# KiCad board main-board-rev1.kicad_pcb (continued)
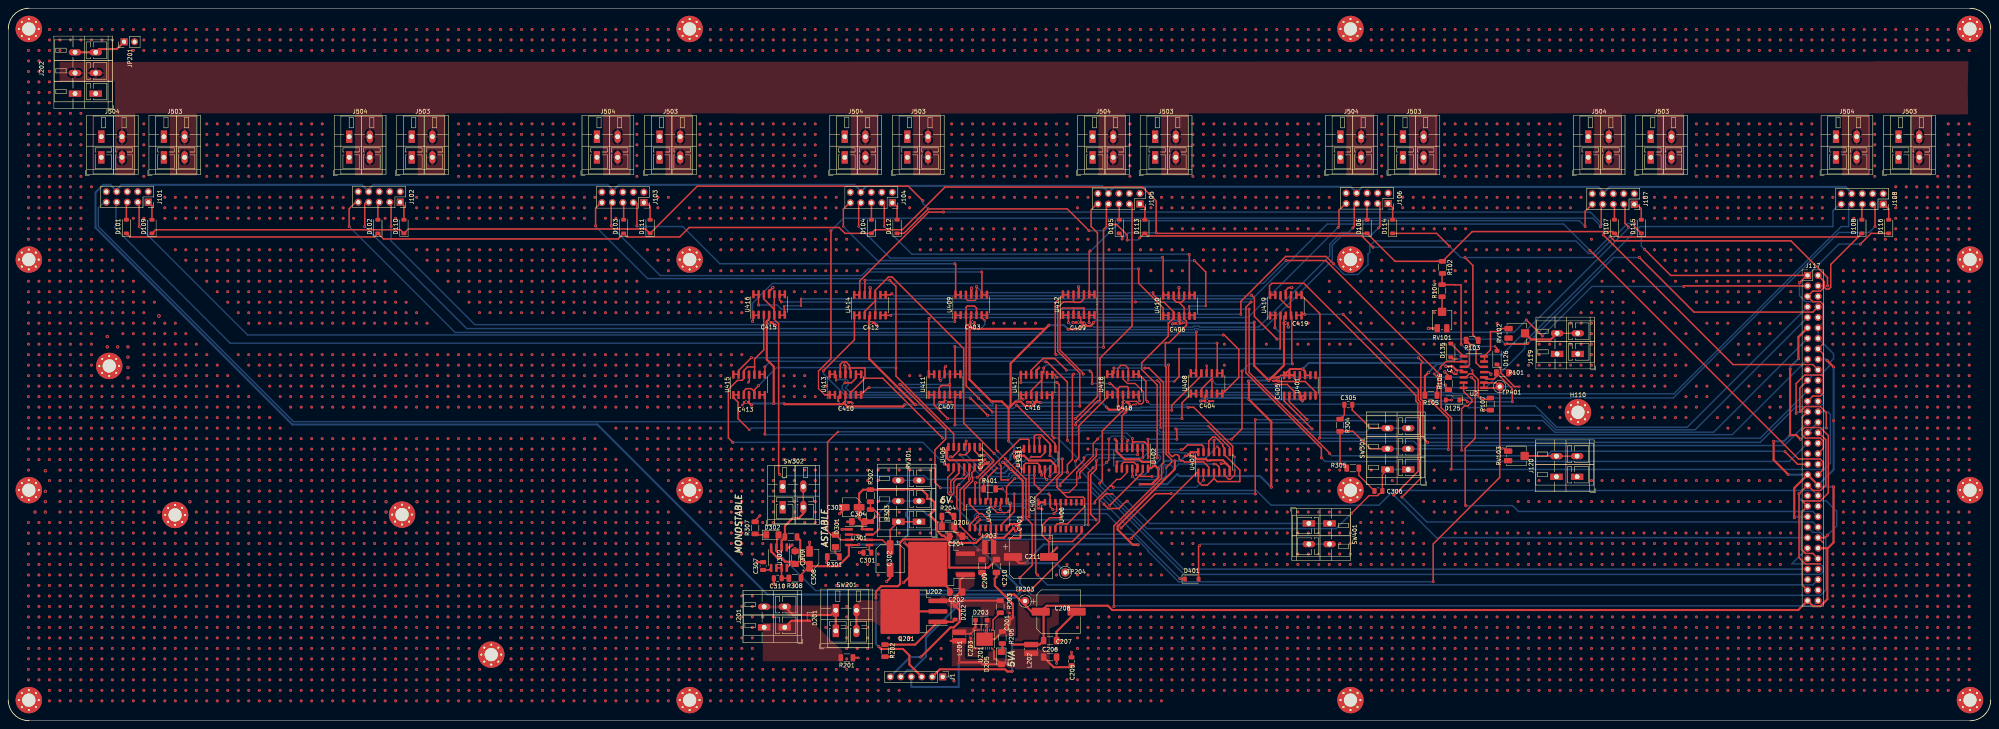
[diagram p0: board, top side]
## Routing (per net, layer and track width the routed paths; a pad name or vN(x,y) marks a point on that pad's centre or on a via; arc(x,y) is an arc through that point) (continued)
  Bottom w0.349: v4(226.19,68.49) v4(249.69,68.49)
CHAN_8: length 166.3
  Top w0.349: 209.96,101.65 209.92,101.65 207.42,99.15 207.42,98.18 ; 209.96,101.65 209.96,98.18 209.96,99.15 ; 209.96,101.65 209.96,103.13 ; v4(238.72,64.69) 231.32,72.09 231.32,90.11 214.01,107.43 213.12,107.43 209.9,104.21 U414.10 ; v3(242.02,58.35) 242.02,58.33 240.38,58.33 240.38,61.71 v3(239.99,62.11) ; v4(249.59,56.16) 248.44,57.31 v4(248.44,59.43) 248.42,59.45 248.42,60.93 ; v4(270.94,53.15) 270.69,53.15 268.91,51.38 266.37,51.38 v4(265.27,52.48)
  Bottom w0.349: v4(249.59,56.16) 249.89,55.86 261.89,55.86 v4(265.27,52.48) ; v4(238.72,64.69) 239.99,63.43 v3(239.99,62.11) ; v3(242.02,58.35) 242.31,58.35 243.02,59.06 243.02,59.33 243.12,59.43 v4(248.44,59.43) ; SW401.1 276.33,47.77 v4(270.94,53.15)
CHAN_9: length 98.7
  Top w0.349: 207.42,103.13 207.42,106.63 v4(207.44,106.65) ; 228.9,66.38 228.9,69.48 214.94,83.44 v4(214.94,85.4) 214.94,105.15 v4(213.44,106.65) ; v4(181.69,81.15) 180.71,80.17 180.71,78.93 180.71,79.63 179.94,80.4 178.67,80.4 178.17,79.9 178.17,78.93
  Bottom w0.349: v4(181.69,81.15) 186.04,85.51 214.84,85.51 v4(214.94,85.4) ; v4(213.44,106.65) v4(207.44,106.65)
CHAN_10: length 93.9
  Top w0.349: 180.71,82.9 180.71,85.65 ; 227.63,61.43 226.9,62.15 v4(226.69,62.15) ; v4(175.44,67.4) 174.35,68.49 174.35,80.22 176.54,82.41 177.67,82.41 178.17,82.9 178.17,84.85 178.97,85.65 180.71,85.65 ; 180.71,85.65 180.71,87.58 182.92,89.79 182.92,98.18
  Bottom w0.349: v4(226.69,62.15) 221.44,67.4 v4(175.44,67.4)
CHAN_11: length 98.2
  Top w0.3: v4(186.76,59.65) 186.53,59.89
  Top w0.349: 185.46,103.13 185.46,98.18 ; 182.92,103.13 182.92,102.15 185.46,99.61 185.46,98.18 ; 185.46,98.18 185.46,97.19 186.53,96.12 186.53,59.89 ; v4(231.44,59.65) 231.44,61.43
  Bottom w0.349: v4(231.44,59.65) 231.44,59.49 230.38,58.43 222.68,58.43 221.75,59.36 188.54,59.36 187.8,58.62 v4(186.76,59.65)
CHAN_12: length 76.2
  Top w0.349: v4(250.69,85.4) 250.69,84.36 250.21,83.88 250.21,82.65 ; 247.67,78.93 247.67,79.9 250.21,82.44 250.21,82.65 ; 250.21,82.65 250.21,78.93 ; v4(280.94,86.15) 280.94,64.78 281.74,63.98 281.99,63.98 282.44,64.43 283.08,64.43 283.54,63.98 283.54,63.33 283.94,62.93 284.48,62.93 284.75,62.65 289.42,62.65 290.67,61.4 290.67,60.43
  Bottom w0.349: v4(250.69,85.4) 251.44,86.15 v4(280.94,86.15)
CHAN_13: length 81.6
  Top w0.3: v3(296.94,60.65) 296.94,59.47 295.95,58.48 295.45,58.48 294.48,59.45 294.48,60.43
  Top w0.349: v4(268.69,76.15) 268.69,78.91 268.67,78.93 ; v4(285.69,75.88) 287.03,75.88 296.47,66.44 296.47,64.34 v3(296.94,63.87) ; 271.21,78.93 271.21,80.63 270.94,80.9 269.19,80.9 268.67,80.38 268.67,78.93 ; v4(256.19,84.9) 253.41,87.68 250.49,87.68 247.67,84.85 247.67,83.88 ; v4(261.94,84.65) 262.44,84.15 v4(262.44,81.65) ; 268.67,78.93 268.67,79.9 266.92,81.65 v4(266.69,81.65)
  Bottom w0.3: v3(296.94,60.65) v3(296.94,63.87) 296.52,64.29
  Bottom w0.349: v4(261.94,84.65) 261.69,84.9 v4(256.19,84.9) ; v4(266.69,81.65) v4(262.44,81.65) ; v4(268.69,76.15) 269.09,75.75 274.18,75.75 274.36,75.93 285.64,75.93 v4(285.69,75.88)
CHAN_14: length 91.4
  Top w0.3: U418.12 268.63,85.28 269.38,86.03 270.48,86.03 271.17,85.34 U418.10 ; v3(278.99,70.87) 278.94,70.92 278.94,81.65 v3(278.19,82.4) ; 271.21,83.88 271.19,83.86 v3(271.19,82.4) ; 295.75,65.38 295.75,66.18 v3(290.57,71.35)
  Top w0.349: v3(282.34,82.15) 283.46,83.28 v3(283.46,90) ; v3(307.91,90.1) 307.96,90.15 307.96,98.14 307.92,98.18
  Bottom w0.3: v3(290.57,71.35) 290.52,71.4 279.52,71.4 v3(278.99,70.87) ; v3(278.19,82.4) v3(271.19,82.4)
  Bottom w0.349: v3(282.34,82.15) 278.44,82.15 v3(278.19,82.4) ; v3(283.46,90) 283.56,90.1 v3(307.91,90.1)
CHAN_15: length 58.6
  Top w0.349: 310.46,100.15 310.46,103.13 ; 310.46,100.15 310.46,98.18 310.76,97.88 310.76,86.58 v4(310.94,86.4) ; 310.46,100.15 309.92,100.15 307.92,102.15 307.92,103.13 ; v4(291.94,67.9) 291.94,65.38 ; v4(296.19,68.15) 298.71,70.68 v4(298.71,84.65)
  Bottom w0.349: v4(291.94,67.9) 292.19,68.15 v4(296.19,68.15) ; v4(298.71,84.65) 300.46,86.4 v4(310.94,86.4)
CLK: length 188.8
  Top w0.349: U2.1 U2.2 ; v4(345.01,33.67) 345.01,42.8 361.11,58.9 TP401.1 ; 357.43,80.56 360.76,80.56 TP401.1 ; U404.14 239.17,45.17 v4(239.19,45.15) ; TP401.1 361.12,80.92 ; TP401.1 360.19,81.83 357.43,81.83 ; v3(365.89,80.9) 364.68,80.9 361.3,84.29 361.3,85.42 D126.1 360.16,86.55
  Bottom w0.349: TP401.1 v3(365.89,80.9) ; v4(345.01,33.67) 344.97,33.63 283.37,33.63 276.01,40.98 276.01,41.23 272.09,45.15 v4(239.19,45.15)
CLOCK: length 58.4
  Top w0.3: R305.2 323.08,62.17 322.46,62.17
  Top w0.349: v4(344.44,77.43) 348.69,73.18 v4(348.69,65.65) ; SW301.2 329.83,65.83 325.57,70.09 R304.2 322.46,62.17 ; v4(349.44,77.65) D125.2
  Bottom w0.349: 348.44,65.9 v4(348.69,65.65) 348.51,65.83 SW301.2 SW301.2 ; v4(344.44,77.43) 347.91,77.43 347.94,77.4 348.19,77.65 v4(349.44,77.65)
CV_0: length 297.4
  Top w0.349: v4(284.19,73.15) 284.19,76.99 286.38,79.18 287.65,79.18
  Bottom w0.349: v4(284.19,73.15) 279.19,73.15 278.44,72.4 69.05,72.4 21.8,119.65 21.8,124.13 23.53,125.86
CV_1: length 234.2
  Top w0.349: v4(287.69,94.18) 287.65,94.14 287.65,84.13 286.38,84.13 ; v4(82.55,119.65) 82.55,123.97 84.44,125.86
  Bottom w0.349: v4(82.55,119.65) 108.2,94 287.51,94 v4(287.69,94.18)
CV_2: length 113.3
  Top w0.349: 142.2,119.65 142.2,124.12 143.94,125.86 ; v4(235.69,108.65) 235.73,108.61 235.73,103.13 237,103.13
  Bottom w0.349: v4(235.69,108.65) 208.34,108.65 206.74,107.05 154.8,107.05 142.2,119.65 v4(142.2,119.83)
CV_3: length 114.7
  Top w0.349: 203.94,125.61 202.2,123.87 v3(202.2,119.65) ; v3(285.94,100.33) 285.98,100.29 285.98,98.18 287.25,98.18 ; v3(289.94,100.4) 289.94,108.65 v4(287.16,111.43)
  Bottom w0.349: v4(287.16,111.43) 210.42,111.43 v3(202.2,119.65) ; v3(285.94,100.33) 286.01,100.4 v3(289.94,100.4)
CV_4: length 95.2
  Top w0.349: 222.88,78.93 224.15,78.93 ; 224.15,78.93 224.19,78.89 ; 224.15,78.93 224.15,76.44 v4(227.41,73.18) ; v4(258.44,73.18) 263.72,78.46 263.72,118.13 262.2,119.65 262.2,123.71 263.89,125.4
  Bottom w0.349: v4(258.44,73.18) v4(227.41,73.18)
CV_5: length 130
  Top w0.3: 322.2,119.65 v4(321.97,119.43)
  Top w0.349: 322.2,119.65 322.2,123.62 323.94,125.36 ; 224.15,83.88 222.88,83.88 222.88,97.34 v4(222.94,97.4)
  Bottom w0.349: v4(222.94,97.4) 223.16,97.63 300.17,97.63 v4(321.97,119.43) 322.2,119.65
CV_6: length 142
  Top w0.349: v4(261.94,113.75) 261.73,113.54 261.73,103.13 263,103.13 ; 383.83,125.36 381.8,123.33 v4(381.8,119.65)
  Bottom w0.349: v4(381.8,119.65) 380.37,121.08 269.44,121.08 262.11,113.75 v4(261.94,113.75)
CV_7: length 260.9
  Top w0.349: 205.23,78.93 206.5,78.93 208.22,80.65 v4(208.44,80.65)
  Bottom w0.349: v4(208.44,80.65) 357.71,80.65 367.16,90.11 367.16,91.73 395.09,119.65 441.8,119.65 441.8,123.47 443.69,125.36
CV_CommonChannelOutput: length 596.5
  Top w0.349: J117.56 436.93,40.51 435.13,40.51 434.19,41.45 434.19,50.47 J117.45 434.39,53.21 438.73,53.21 440.67,55.16 440.67,69.05 438.73,70.99 434.97,70.99 434.38,70.4 ; R102.1 335.77,111.23 D106.1 ; R102.1 354.46,118.43 388.47,118.43 D107.1 389.77,117.13 447.92,117.13 ; R102.1 345.86,111.23 ; 434.38,70.4 434.38,73.53 J117.27 ; 434.38,70.4 434.38,69.2 435.13,68.45 438.73,68.45 439.47,67.71 439.47,65.92 J117.36 ; 439.47,83.33 439.47,88.77 J117.16 439.47,91.32 439.47,100.73 438.73,101.47 436.93,101.47 J117.5 436.93,104.01 438.73,104.01 439.47,104.76 439.47,106.55 J117.2 439.72,106.31 439.72,104.96 440.17,104.51 440.81,104.51 441.26,104.96 441.26,110.47 447.92,117.13 ; 439.47,83.33 439.1,83.7 435.13,83.7 435.04,83.79 432.88,81.63 v4(432.88,74.43) ; 439.47,83.33 439.47,79.36 438.73,78.61 436.93,78.61 J117.25 ; 447.92,117.13 D108.1 448.38,118 ; v4(269.69,116.65) 269.69,117.31 D105.1 ; 328.94,117.94 D106.1 ; D106.1 278.09,118 v4(277.94,118.15) 277.94,125.86 274.58,129.21 226.8,129.21 216.46,118.88 209.87,118.88 D104.1 202.59,118 201.16,119.43 164.87,119.43 162.57,117.13 149.87,117.13 D103.1 147.65,116.65 90.85,116.65 D102.1 88.62,117.13 29.47,117.13 D101.1
  Bottom w0.349: J117.27 433.25,74.8 v4(432.88,74.43) ; v4(269.69,116.65) 271.19,118.15 v4(277.94,118.15)
CV_OUT: length 14
  Top w0.3: J119.2 J119.2
  Top w0.5: J119.2 373.51,92.3 368.76,92.3 RV102.2
CV_OUTPUT_0: length 4.6
  Top w0.349: D101.2 28.6,125.85 28.61,125.86
CV_OUTPUT_1: length 4.6
  Top w0.349: 89.52,125.86 89.5,125.84 D102.2
CV_OUTPUT_2: length 4.6
  Top w0.349: D103.2 149,125.84 149.02,125.86
CV_OUTPUT_3: length 4.3
  Top w0.349: 209.02,125.61 209,125.59 D104.2
CV_OUTPUT_4: length 4.1
  Top w0.349: D105.2 269,125.37 268.97,125.4
CV_OUTPUT_5: length 4.1
  Top w0.349: 329.02,125.36 329,125.34 D106.2
CV_OUTPUT_6: length 4.1
  Top w0.349: 388.91,125.36 388.9,125.35 D107.2
CV_OUTPUT_7: length 4.1
  Top w0.349: 448.77,125.36 448.8,125.33 D108.2
Earth_Protective: length 12.9
  Top w0.5: JP201.1 26.3,162.64 21.96,162.64 J202.3 J202.3
GATE: length 12.7
  Top w0.3: J120.2 J120.2
  Top w0.349: J120.2 374.81,64.12 RV103.2
GATE_0: length 298.6
  Top w0.349: v4(294.19,93.4) 294.44,93.4 297.94,89.9 297.94,83.12 294,79.18 292.73,79.18 ; 31.15,125.86 31.7,125.31 v4(31.7,119.65)
  Bottom w0.349: v4(294.19,93.4) 57.95,93.4 v4(31.7,119.65) 31.69,119.65
GATE_1: length 158
  Top w0.349: 92.06,125.86 92.7,125.22 v4(92.7,119.65) ; 230.65,98.18 229.38,98.18 229.19,97.99 v4(229.19,96.65)
  Bottom w0.349: v4(229.19,96.65) 229.14,96.6 185.15,96.6 184.45,95.9 112.94,95.9 92.7,116.14 v4(92.7,119.65)
GATE_2: length 96.2
  Top w0.349: 230.65,103.13 229.38,103.13 229.38,110.46 v4(229.19,110.65) ; 152.2,119.65 152.2,125.22 151.56,125.86
  Bottom w0.349: v4(229.19,110.65) 172.31,110.65 163.31,119.65 152.2,119.65 v4(152.2,119.83)
GATE_3: length 93.9
  Top w0.349: 287.25,103.13 285.98,103.13 285.98,112.86 v4(285.94,112.9) ; v3(212.1,119.65) 212.1,125.07 211.56,125.61
  Bottom w0.349: v4(285.94,112.9) 285.86,112.98 218.77,112.98 v3(212.1,119.65)
GATE_4: length 97.8
  Top w0.349: 271.51,125.4 272.1,124.81 272.1,95.56 264.32,87.79 264.32,77.51 263.87,77.51 258.44,72.08 v4(258.44,71.63) ; 230.5,78.93 229.23,78.93 229.23,71.67 v4(229.19,71.63)
  Bottom w0.349: v4(258.44,71.63) v4(229.19,71.63)
GATE_5: length 98.2
  Top w0.3: 332.1,119.65 v4(331.77,119.33)
  Top w0.349: 331.56,125.36 332.1,124.82 332.1,119.65 ; v4(256.69,96.4) 256.69,98.14 256.65,98.18 255.38,98.18
  Bottom w0.349: 332.1,119.65 v4(331.77,119.33) 330.07,117.63 323.07,117.63 320.58,115.14 320.58,111.49 303.79,94.7 288.26,94.7 288.01,94.95 287.37,94.95 287.12,94.7 258.39,94.7 v4(256.69,96.4)
GATE_6: length 174.4
  Top w0.349: v4(253.69,88.65) 253.5,88.84 253.5,101.26 255.38,103.13 256.65,103.13 ; 391.45,125.36 391.45,120.4 392.2,119.65
  Bottom w0.3: 392.2,119.65 v4(392.32,119.53)
  Bottom w0.349: v4(253.69,88.65) 361.7,88.65 392.2,119.15 392.2,119.65
GATE_7: length 281.4
  Top w0.349: 206.5,83.88 205.23,83.88 205.23,82.9 204.15,81.83 v4(202.61,81.83) ; 451.31,125.36 452,124.67 v4(452,119.65)
  Bottom w0.349: v4(452,119.65) 450.57,118.23 443.24,118.23 403.16,78.15 381.71,78.15 381.56,78.31 378.56,78.31 378.41,78.15 350.03,78.15 349.31,78.88 203.37,78.88 201.91,80.33 201.91,81.13 v4(202.61,81.83)
GATE_CommonChannelOutput: length 631.7
  Top w0.349: v4(352.69,112.15) 354.61,110.23 354.61,93.4 R103.1 ; v4(261.69,118.65) 256.41,123.93 v4(222.77,123.93) 216.85,118 D112.1 ; 438.73,37.97 435.13,37.97 434.19,38.91 ; 434.19,38.91 434.38,38.72 434.38,32.9 J117.61 ; 434.19,38.91 433.59,39.51 v4(433.59,54.96) J117.41 436.93,55.75 438.79,55.75 440.07,57.04 440.07,68.02 438.37,69.72 J117.32 ; v4(396.19,114.15) 402.52,107.82 J117.1 435.45,107.82 v4(433.69,106.06) ; J117.21 433.78,80.55 433.78,74.73 435.13,76.07 438.73,76.07 440.19,74.62 v4(440.19,70.9) ; v4(270.94,116.4) 270.94,117.58 268.37,120.15 v4(266.94,120.15) ; v4(330.44,114.65) 327.71,117.38 275.82,117.38 D113.1 275.04,118 v4(273.94,116.9) ; v4(348.94,114.9) 345.84,118 D114.1 ; v4(448.44,115.4) 451.04,118 D116.1 ; v4(440.48,44.93) 439.87,44.32 J117.52 439.47,43.05 ; v4(221.44,125.9) 217.92,129.42 166.82,129.42 D111.1 154.35,119.06 96.85,119.06 D110.1 94.92,118.88 35.67,118.88 D109.1 ; v4(393.69,120.4) 393.69,119.71 v4(395.4,118)
  Bottom w0.3: 440.19,53.22 434.29,53.22
  Bottom w0.349: v4(448.44,115.4) 443.24,115.4 J117.1 ; v4(396.19,114.15) 395.4,114.94 v4(395.4,118) ; v4(273.94,116.9) 273.44,116.4 v4(270.94,116.4) ; v4(440.19,70.9) 439.38,70.9 J117.32 ; v4(393.69,120.4) 392.1,120.4 383.85,112.15 v4(352.69,112.15) 351.69,112.15 v4(348.94,114.9) 348.69,114.65 v4(330.44,114.65) ; v4(222.77,123.93) 221.44,125.26 v4(221.44,125.9) ; 434.29,53.22 433.59,53.92 v4(433.59,54.96) ; J117.21 436.93,83.69 438.73,83.69 440.94,85.9 440.94,86.65 441.94,87.65 441.94,88.84 J117.14 J117.12 439.47,96.4 439.47,100.73 438.73,101.47 435.13,101.47 433.69,102.91 v4(433.69,106.06) ; v4(261.69,118.65) 265.44,118.65 v4(266.94,120.15) ; 440.19,53.22 442.71,50.7 442.71,47.16 v4(440.48,44.93)
GATE_OUTPUT_0: length 5
  Top w0.349: 33.69,125.86 34.8,124.75 D109.2
GATE_OUTPUT_1: length 5.1
  Top w0.349: 94.6,125.86 95.8,124.66 D110.2
GATE_OUTPUT_2: length 5.1
  Top w0.349: D111.2 155.4,124.56 154.1,125.86
GATE_OUTPUT_3: length 4.8
  Top w0.349: D112.2 215.2,124.51 214.1,125.61
GATE_OUTPUT_4: length 4.6
  Top w0.349: 274.05,125.4 275.2,124.25 D113.2
GATE_OUTPUT_5: length 4.5
  Top w0.349: D114.2 335.2,124.26 334.1,125.36
GATE_OUTPUT_6: length 4.6
  Top w0.349: D115.2 395.4,123.95 393.99,125.36
GATE_OUTPUT_7: length 4.7
  Top w0.349: D116.2 455.3,123.91 453.85,125.36
RELAYS_0: length 293.5
  Top w0.349: 294,84.13 292.73,84.13 292.73,91.36 v4(292.69,91.4)
  Bottom w0.349: 25.89,119.26 53.75,91.4 v4(292.69,91.4) ; 26.07,125.86 26.07,119.78 25.72,119.43 ; 25.84,119.65 25.89,119.61
RELAYS_1: length 171.2
  Top w0.349: 86.98,125.86 86.3,125.18 v4(86.3,119.65) ; v3(236.44,96.9) 235.73,97.61 235.73,98.18 237,98.18 236.94,98.12
  Bottom w0.349: v3(236.44,96.9) 236.44,95.9 235.49,94.95 111,94.95 v4(86.3,119.65)
RELAYS_2: length 154.7
  Top w0.349: 280.9,98.18 279.63,98.18 279.63,99.96 273.69,105.9 v4(273.69,109.4) ; 146.48,125.86 146,125.38 v4(146,119.83)
  Bottom w0.349: 266.69,109.43 266.91,109.43 266.94,109.4 ; 266.69,109.43 208.27,109.43 206.63,107.78 157.87,107.78 146,119.65 ; 266.69,109.43 273.66,109.43 v4(273.69,109.4)
RELAYS_3: length 93.4
  Top w0.349: 206.48,125.61 205.9,125.03 v3(205.9,119.65) ; v4(279.44,112.2) 279.63,112.01 279.63,103.13 280.9,103.13
  Bottom w0.349: v3(205.9,119.65) 213.52,112.03 279.26,112.03 v4(279.44,112.2)
RELAYS_4: length 79.6
  Top w0.349: v4(265.19,90.4) 265.19,118.94 265.9,119.65 265.9,124.87 266.43,125.4 ; 230.5,83.88 229.23,83.88 229.23,90.59 v4(229.19,90.63)
  Bottom w0.349: v4(265.19,90.4) 229.41,90.4 v4(229.19,90.63)
RELAYS_5: length 86.1
  Top w0.3: 325.9,119.65 v4(325.57,119.33)
  Top w0.349: v4(261.69,96.4) 261.69,98.14 261.73,98.18 263,98.18 ; 326.48,125.36 325.9,124.78 325.9,119.65
  Bottom w0.349: 325.9,119.65 v4(325.57,119.33) 324.47,118.23 322.82,118.23 319.98,115.38 319.98,112.54 302.74,95.3 288.51,95.3 288.26,95.55 287.12,95.55 286.87,95.3 262.79,95.3 v4(261.69,96.4)
RELAYS_6: length 239
  Top w0.3: 197.69,78.9 196.16,80.43 196.16,84.63
  Top w0.349: 200.15,78.93 197.71,78.93 ; 197.71,78.93 197.69,78.9 ; 197.71,78.93 197.66,78.93 ; 386.37,125.36 385.7,124.69 385.7,119.65 385.66,119.62 v4(385.49,119.62) ; v4(199.19,118.65) 199.19,87.65 196.16,84.63
  Bottom w0.349: 385.7,119.65 383.67,121.68 202.21,121.68 199.19,118.66 v4(199.19,118.65)
RELAYS_7: length 274.8
  Top w0.349: 200.15,83.88 200.44,83.59 v3(200.44,82.4) ; 200.15,83.88 200.15,83.19 ; 200.15,83.88 198.88,83.88
  Bottom w0.349: v3(200.44,82.4) 200.63,82.6 202.93,82.6 203.38,82.15 203.38,81.35 202.69,80.65 203.86,79.48 349.55,79.48 349.88,79.15 403.31,79.15 443.81,119.65 445.6,119.65 445.6,124.73 446.23,125.36
Net-(C305-Pad1): length 3.9
  Top w0.349: C305.1 323.51,74.07 R304.1
Net-(C306-Pad1): length 7.1
  Top w0.3: C306.1 327,59.42 R305.1
Net-(D125-K): length 27.5
  Top w0.349: v4(353.29,77.23) 352.86,77.65 D125.1 ; 360.13,83.95 360.13,84.68 ; 356.46,83.15 U2.3 357.75,82.73 359.69,82.73 360.32,83.35 R101.2 364.18,80.37 v4(364.18,77.23)
  Bottom w0.349: v4(353.29,77.23) v4(364.18,77.23)
Net-(D126-A): length 17.4
  Top w0.349: 352.48,85.64 353.11,85.64 ; D126.2 360.46,90.15 v3(359.98,90.63) ; v3(354.48,90.93) 354.16,90.93 R103.2 353.78,91.31 353.78,86.11 353.35,85.69 U2.10
  Bottom w0.349: v3(359.98,90.63) 354.78,90.63 v3(354.48,90.93)
Net-(D135-A): length 4.9
  Top w0.349: 349.48,91.38 349.48,91.13 U2.8 352.89,88.23
Net-(D135-K): length 19.3
  Top w0.349: R107.2 358.53,77.82 356.66,77.82 355.93,78.54 355.93,82.59 354.54,83.98 ; 354.54,83.98 354.54,84.77 v3(354.48,84.83) ; 354.54,83.98 353.72,83.98 352.89,83.15 U2.12 ; D135.1 349.68,87.63 v3(350.68,87.63)
  Bottom w0.349: v3(354.48,84.83) 351.68,87.63 v3(350.68,87.63)
Net-(D401-A): length 39.8
  Top w0.349: v4(288.44,42.4) 288.2,42.17 D401.2
  Bottom w0.349: v4(288.44,42.4) 288.8,42.77 SW401.2
Net-(R104-Pad1): length 3.6
  Top w0.349: RV101.2 R104.1
Net-(R401-Pad2): length 15
  Top w0.349: v4(236.38,58.43) 236.17,58.22 R401.2 ; 232.71,65.86 232.71,66.38 ; U405.3 232.72,65.33 231.79,64.4 v4(230.44,64.4)
  Bottom w0.349: v4(230.44,64.4) 230.44,64.37 v4(236.38,58.43)
Net-(U2C--): length 17.7
  Top w0.349: R106.2 348.04,80.82 v3(348.04,81.35) ; v3(346.78,85.33) 346.78,85.69 348.02,86.93 352.35,86.93 U2.9 ; v3(345.18,84.03) 346.24,82.97 v3(346.24,81.35) 345.92,81.04 R105.1
  Bottom w0.349: v3(345.18,84.03) 345.48,84.03 v3(346.78,85.33) ; v3(346.24,81.35) v3(348.04,81.35)
Net-(U2D--): length 30.6
  Top w0.349: v3(351.88,65.43) 351.88,75.53 352.55,76.2 353.35,76.2 354.38,77.23 354.38,77.73 352.38,79.73 U2.14 U2.13 ; v3(361.8,65.94) 362.49,65.94 RV103.3
  Bottom w0.349: v3(351.88,65.43) 361.29,65.43 v3(361.8,65.94)
Net-(U302-TR): length 17.1
  Top w0.3: SW302.2 SW302.2
  Top w0.5: R306.1 188.05,47.18 189.96,49.08 191.43,49.08 192.5,50.15 SW302.2 ; U302.2 187.24,43.7 187.57,44.03
unconnected-(RV301-Pad3): length 5
  Bottom w0.3: RV301.3 RV301.3

## Copper pours and planes (outline as drawn; the poured copper is in the pictures)
+6V on Top: 238.19,39.4 242.44,39.4 242.44,41.4 238.19,41.4
+6V on Top: 237.59,43.5 237.59,37.55 247.21,37.55 247.21,43.58 237.69,43.58
+12V on Top: 235.44,28.9 244.19,28.9 244.19,25.65 241.44,25.65 241.44,25.15 235.94,25.15 235.94,21.65 235.44,21.65
+12V on Top: 235.58,28.83 230.78,28.93 230.78,27.53 235.58,27.63
+12V on Top: 225.44,29.65 225.94,30.15 229.44,30.15 229.94,30.9 230.94,30.9 230.94,27.15 228.19,27.15 226.94,28.4 225.44,28.4
+12V on Top: 229.94,30.9 229.94,34.4 229.19,35.4 229.19,36.15 233.94,36.15 233.94,32.65 230.94,30.9
/Power Supply/5VA Unfiltered on Top: 242.69,17.4 242.69,15.15 231.94,15.15 231.94,19.9 228.44,19.9 228.44,12.4 252.19,12.4 252.19,17.4
/Power Supply/5VA Unfiltered on Top: 237.28,15.13 237.28,16.83 238.98,16.83 239.08,15.13
GND on Top: 236.44,21.4 234.44,21.4 234.44,18.15 238.44,18.15 238.44,21.4 237.19,21.4 237.19,22.15 236.44,22.15
GND on Top: 236.44,24.9 241.69,24.9 241.69,25.4 244.19,25.4 244.19,20.4 237.69,20.4 238.69,21.65 236.44,21.65
GND on In1.Cu, In2.Cu: 4.2,168.3 475.44,168.65 475.44,4.65 3.78,3.83
/Power Supply/POL-FET-D on Top: 205.19,28.15 205.94,29.15 209.69,29.15 211.44,30.4 211.44,22.65 209.69,23.9 205.94,23.9 204.94,25.9
/Power Supply/PowerIn+ on Top: 182.69,27.9 200.19,27.9 200.19,25.4 188.94,25.4 186.94,27.15 182.69,27.15
/Power Supply/PowerIn- on Top: 182.69,23.65 188.94,23.65 190.19,24.65 193.94,24.65 201.94,16.9 201.94,14.4 182.69,14.4
/Power Supply/SW-REG_CB on Top: 234.94,17.9 234.94,15.4 232.19,15.4 232.19,20.4 233.94,20.4 233.94,17.9
/Power Supply/SW_REG_L on Top: 228.44,20.65 228.44,22.65 235.19,22.65 235.19,20.65
/Power Supply/Unfiltered-6V on Top: 229.29,42.95 229.46,44.65 229.34,45.75 227.71,45.75 227.69,47.88 229.96,47.88 229.99,45.93 230.91,45.9 231.29,45.63 231.26,44.53 231.39,42.95
/Power Supply/Unfiltered-6V on Top: 235.04,43.83 234.14,42.9 229.29,42.95 229.26,37.3 237.39,37.33 237.41,43.83
LINE on Top: 25.84,154.85 12.44,154.8 12.44,159.5 474.59,159.65 474.44,153.1 474.54,146.8 472.64,146.8 465.84,146.75 465.69,132 460.59,132.1 460.69,147.05 450.59,147.05 450.59,132.05 444.04,132.05 443.99,147.05 405.74,147.05 405.74,132.05 399.19,132.05 399.19,147.05 390.69,147 390.79,132.05 383.99,132.1 383.99,147.05 346.09,147 346.04,132.05 339.14,132.05 339.14,147 330.74,147 330.74,132 323.99,132.05 323.99,147.05 285.84,147.05 285.84,132 279.14,132.05 279.14,147.05 270.49,147.05 270.49,132.05 263.99,132.05 263.99,147.05 225.79,147 225.79,132 219.14,132.05 219.14,147.05 210.69,147 210.69,132.05 203.99,132.05 203.99,147 165.64,147.05 165.64,132.05 159.14,132.05 159.14,147.1 150.59,147.05 150.59,132.05 143.99,132.05 143.99,147.1 105.79,147.05 105.79,132.05 99.14,132.05 99.14,147.05 90.54,147.1 90.54,132.05 83.94,132.05 83.99,147.05 45.64,147.05 45.64,132 39.14,132.05 39.14,147.05 30.74,147.05 30.74,132.05 25.84,132.05
NEUT on Bottom: 20.39,149.55 12.44,149.55 12.44,154.55 468.84,154.5 468.84,133.8 466.99,133.8 467.04,146.95 460.24,146.9 460.24,131.85 455.14,131.95 455.24,146.9 445.14,146.9 445.14,131.9 438.59,131.9 438.54,146.9 400.29,146.9 400.29,131.9 393.74,131.9 393.74,146.9 385.24,146.85 385.34,131.9 378.54,131.95 378.54,146.9 340.64,146.85 340.59,131.9 333.69,131.9 333.69,146.85 325.29,146.85 325.29,131.85 318.54,131.9 318.54,146.9 280.39,146.9 280.39,131.85 273.69,131.9 273.69,146.9 265.04,146.9 265.04,131.9 258.54,131.9 258.54,146.9 220.34,146.85 220.34,131.85 213.69,131.9 213.69,146.9 205.24,146.85 205.24,131.9 198.54,131.9 198.54,146.85 160.19,146.9 160.19,131.9 153.69,131.9 153.69,146.95 145.14,146.9 145.14,131.9 138.54,131.9 138.54,146.95 100.34,146.9 100.34,131.9 93.69,131.9 93.69,146.9 85.09,146.95 85.09,131.9 78.49,131.9 78.54,146.9 40.19,146.9 40.19,131.85 33.69,131.9 33.69,146.9 25.29,146.9 25.29,131.9 20.39,131.9
SECONDARY_5VA on Top: 243.76,17.63 252.24,17.65 252.14,22.28 254.34,23.33 254.49,30.7 244.36,30.55 244.44,20.08 243.76,20.08

## Text on the board
F.Silkscreen: 6V | MONOSTABLE | ASTABLE | 5VA
